# Altium PCB TB_PCB.PcbDoc (part 1 of 2)
Units mm, origin at the board's own origin, x right, y up, seen from the top; angles counter-clockwise.
Board outline 210.95 x 140.19 mm, 2 copper layers (Top Layer, Bottom Layer); 52 components, 105 nets, 390 pads, 1586 vias.
Unrouted connection lines stored in the file: 19.
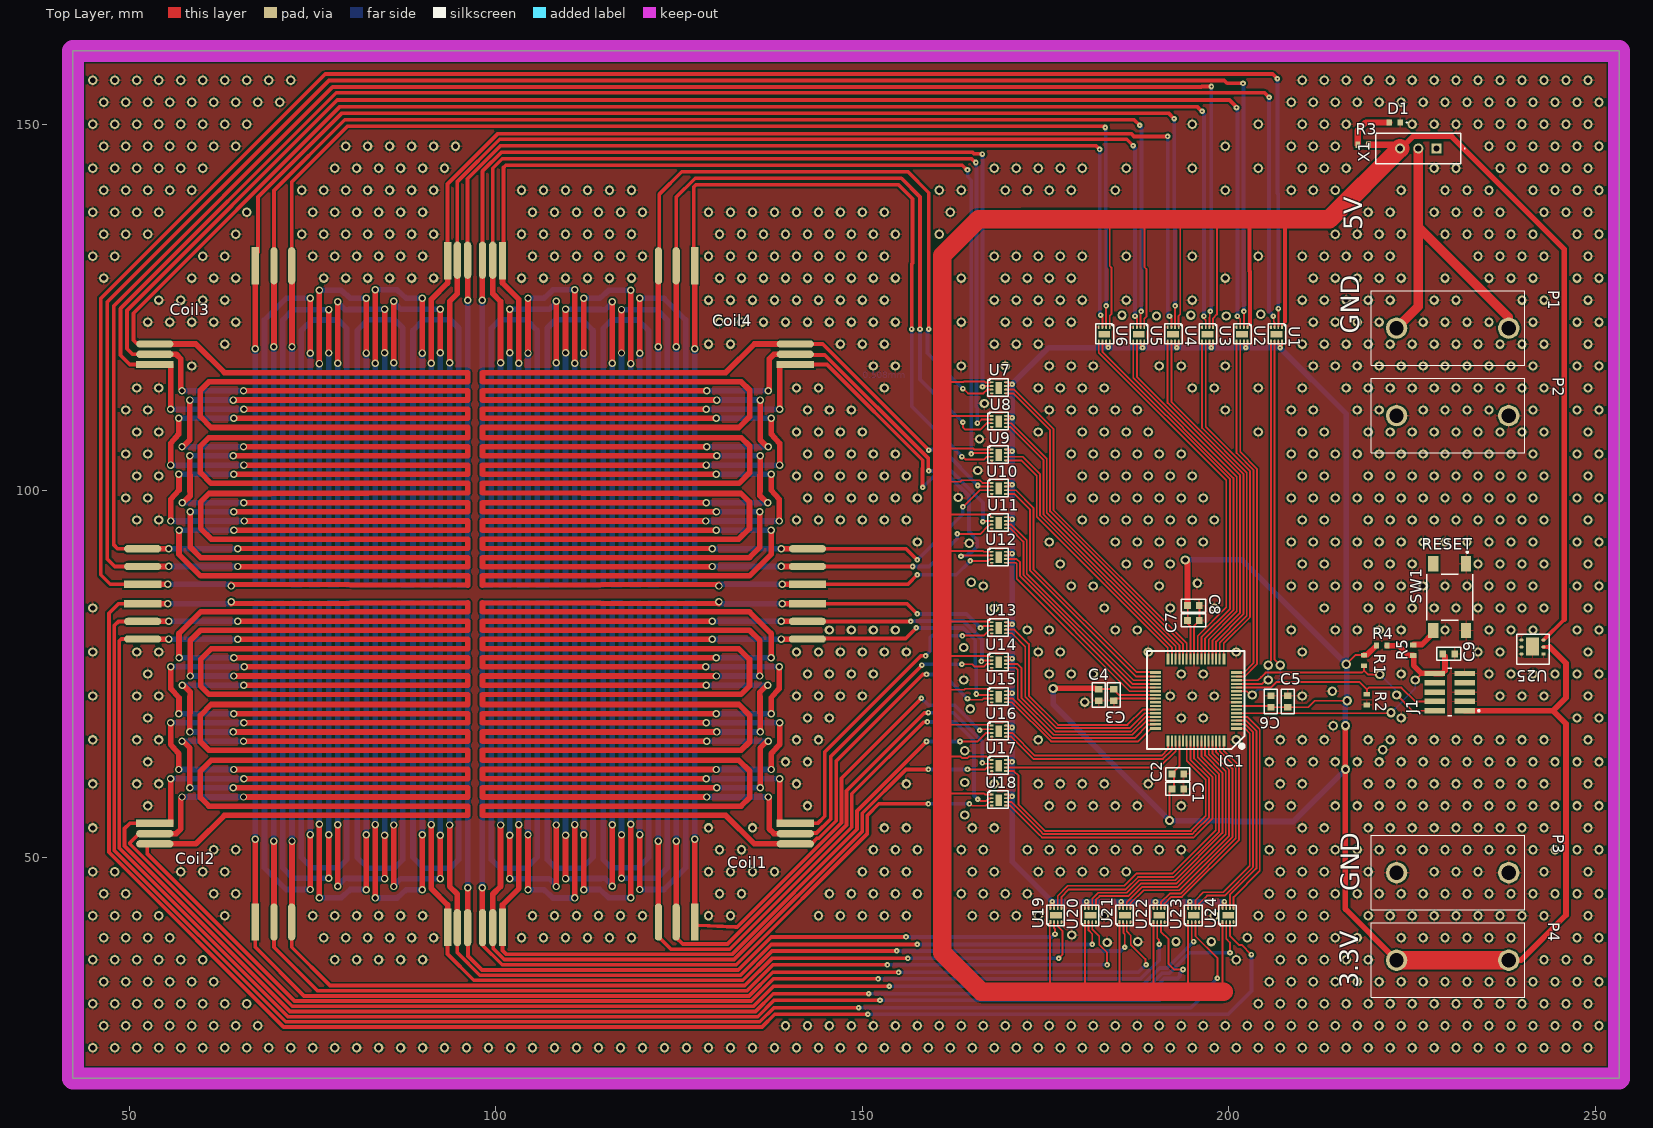
[diagram p0: Top Layer view]
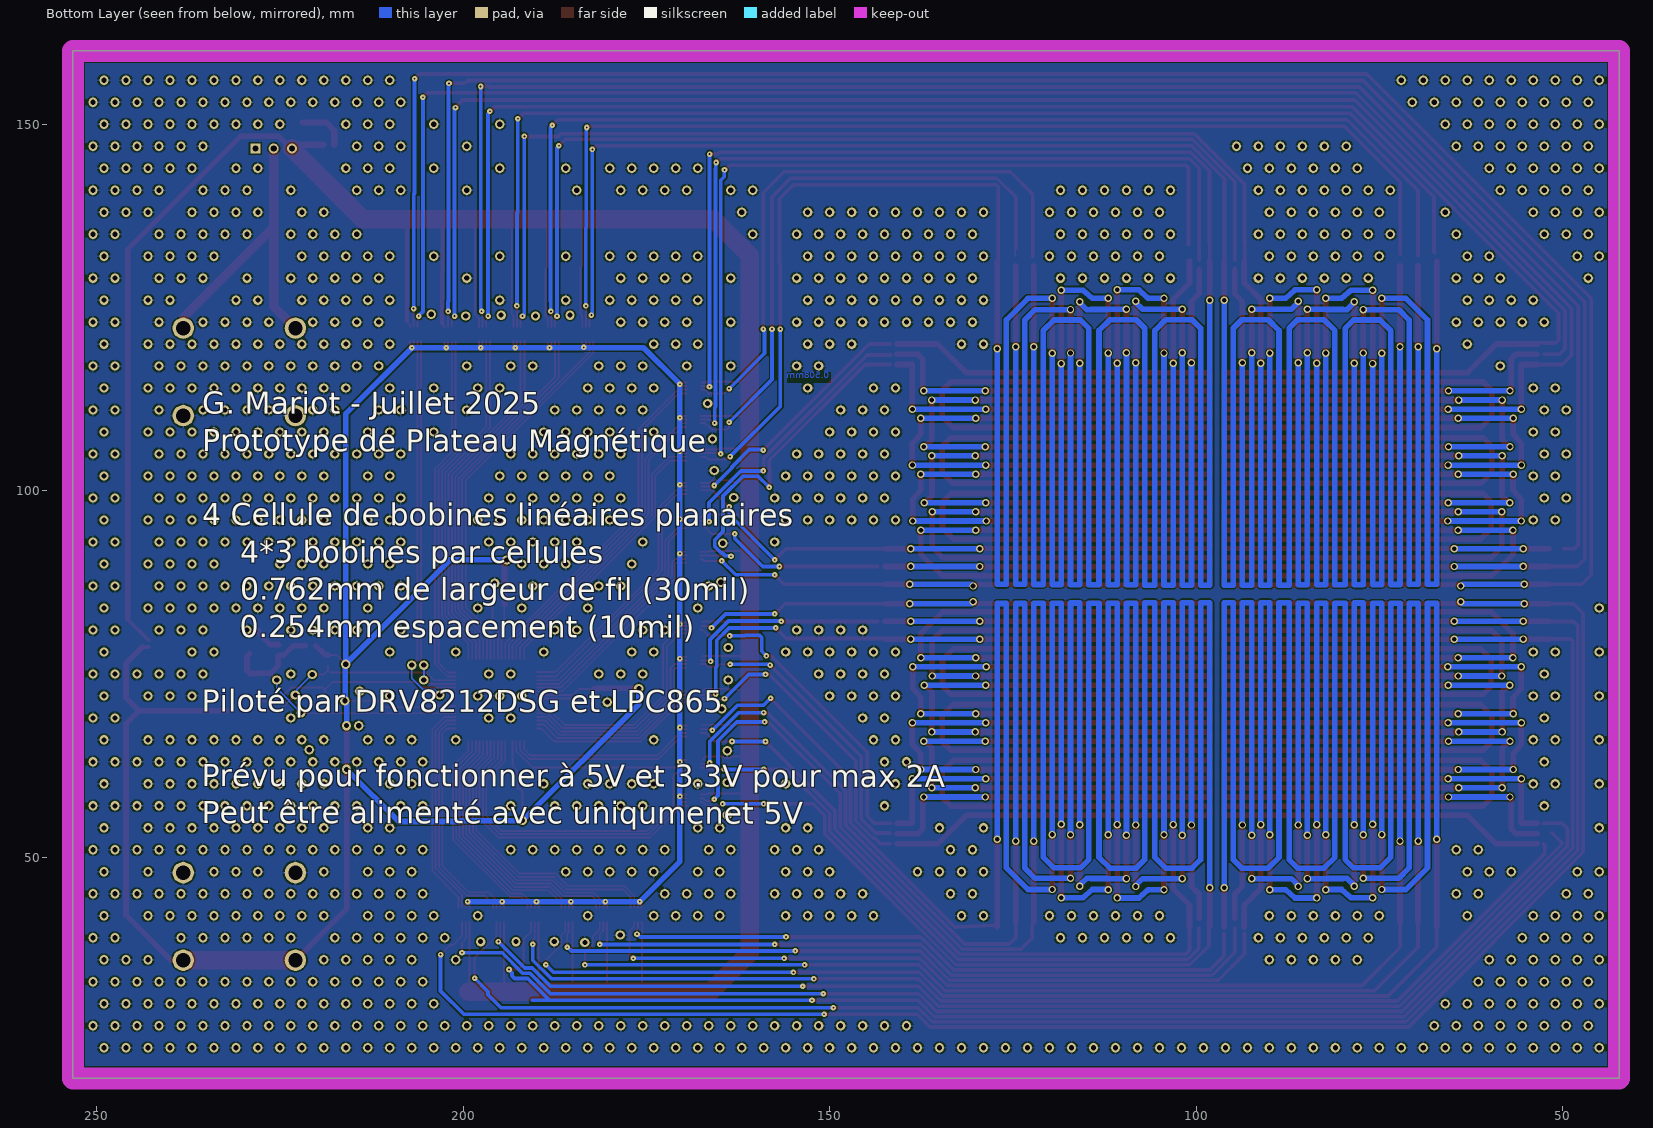
[diagram p1: Bottom Layer view, seen from below]
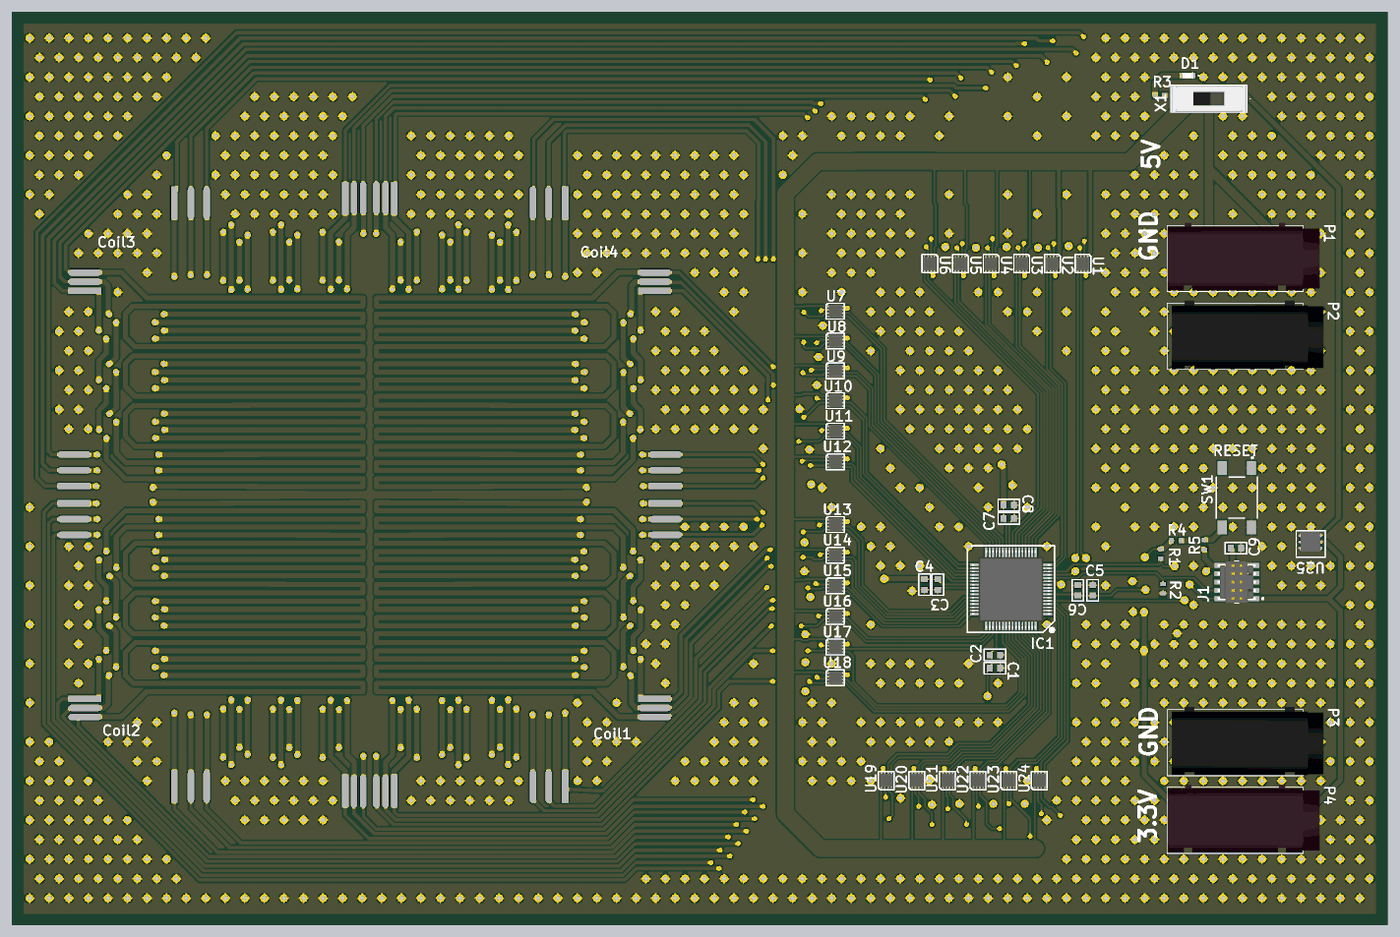
[diagram p3: 3D render of the assembled board from above, using the file's embedded part models]

## Layer stack, top to bottom
Top Solder: solder mask 0.0102, Solder Resist, Dk 3.5
Top Layer: signal copper 0.0356
Dielectric 1: dielectric 0.32, FR-4, Dk 4.8
Bottom Layer: signal copper 0.0356
Bottom Solder: solder mask 0.0102, Solder Resist, Dk 3.5

## Board outline
42.291,19.812 42.291,160 253.238,160 253.238,19.812

## Design rules (kind name [scope] priority, off if disabled: settings)
Clearance Clearance_2 [HasFootprint('Bidirectional_Coil') vs HasFootprint('Bidirectional_Coil')] p1: gap=0.2 ignorepadtopadclearanceinfootprint=TRUE
Clearance Clearance_1 [InNamedPolygon('Top Layer-GND') Or InNamedPolygon('NONET_L02_P001')] p2: gap=0.254 ignorepadtopadclearanceinfootprint=TRUE
Clearance [All] p3: gap=0.2 ignorepadtopadclearanceinfootprint=TRUE
HoleSize [All] p1: absolutevalues=TRUE maxlimit=2.54 minlimit=0.25 maxpercent=80.000 minpercent=20.000
HoleToHoleClearance [All] p1: gap=0.152 allowstackedmicrovias=TRUE
MinimumAnnularRing [All] p1: minimumring=0.15
MinimumSolderMaskSliver [All] p1: minsoldermaskwidth=0.13
PolygonConnect PolygonConnect_1 [All vs IsNamedPolygon('Top Layer-GND') Or IsNamedPolygon('NONET_L02_P001')] p1: connectstyle=Relief reliefconductorwidth=0.254 reliefentries=4 polygonreliefangle="90 Angle" airgapwidth=0.254
PolygonConnect [All] p2: connectstyle=Relief reliefconductorwidth=0.254 reliefentries=4 polygonreliefangle="90 Angle" airgapwidth=0.254
RoutingVias [All] p1: holewidth=0.711 width=1.27 viastyle="Through Hole" minholewidth=0.152 minwidth=0.254 maxholewidth=0.711 maxwidth=1.27
ShortCircuit ShortCircuit_1 [HasFootprint('Bidirectional_Coil') vs HasFootprint('Bidirectional_Coil')] p1: allowed=TRUE
ShortCircuit [All] p2: allowed=FALSE
SilkToSilkClearance [All] p1: silktosilkclearance=0
SilkToSolderMaskClearance [IsPad] p1: minsilkscreentomaskgap=0 clearancetoexposedcopper=TRUE
SolderMaskExpansion [All] p1: expansion=0.102 istentingtop=FALSE
SupplyNets "Schematic Supply Nets_2" [InNet('VCC')] p1: voltage=0.000
SupplyNets "Schematic Supply Nets_1" [InNet('GND')] p2: voltage=0.000
SupplyNets "Schematic Supply Nets" [InNet('VM')] p3: voltage=0.000
UnRoutedNet UnRoutedNet_1 [HasFootprint('Bidirectional_Coil')] p1:
UnRoutedNet [All] p2:
Width [All] p1: maxlimit=2.54 minlimit=0.254 preferedwidth=0.254 minimp=50.000000 maximp=50.000000 favimp=50.000000
23 further rules are at their usual default settings.

## Classes and differential pairs
component class TB_Piste: Coil1 Coil2 Coil3 Coil4
component class TB_Driver: U1 U2 U3 U4 U5 U6 U7 U8 U9 U10 U11 U12 U13 U14 U15 U16 U17 U18 U19 U20 U21 U22 U23 U24
component class TB_Controller: C1 C2 C3 C4 C5 C6 C7 C8 C9 D1 IC1 J1 P1 P2 P3 P4 R1 R2 R3 R4 R5 SW1 U25 X1

## Components (designator, comment, footprint, x,y, rotation, side; value= is the part's Value field where it differs from the comment)
C1 "D_CAP-40" CAP_0603H0.8 193.04,59.309 r0 top value=10nF
C2 "D_CAP-52" CAP_0603H0.8 193.04,61.341 r0 top value=100nF
C3 "D_CAP-40" CAP_0603H0.8 184.277,72.136 r270 top value=10nF
C4 "D_CAP-52" CAP_0603H0.8 182.245,72.136 r270 top value=100nF
C5 "D_CAP-40" CAP_0603H0.8 208.026,71.247 r270 top value=10nF
C6 "D_CAP-52" CAP_0603H0.8 205.74,71.247 r270 top value=100nF
C7 "D_CAP-52" CAP_0603H0.8 195.161,82.296 r0 top value=100nF
C8 "D_CAP-40" CAP_0603H0.8 195.161,84.328 r0 top value=10nF
C9 "1u" CAP_0603H0.8 229.997,77.724 r180 top value=1uF
Coil1 "Coil" Bidirectional_Coil#1 117.348,69.977 r180 top
Coil2 "Coil" Bidirectional_Coil#2 76.962,69.977 r0 top
Coil3 "Coil" Bidirectional_Coil#1 76.962,101.854 r0 top
Coil4 "Coil" Bidirectional_Coil#2 117.348,101.854 r180 top
D1 "KS_EELP41.22-P1R2-58-A8J8-020-" KSEELP4122P1R258A8J8020R18 222.758,150.241 r180 top
IC1 "LPC865M301JBD64" LPC865M301JBD64 201.139,67.695 r180 top
J1 "FTSH-105-01-L-DV-K-A" FTSH-105-01-L-DV-K-A 229.994,72.263 r90 top
P1 "BananaConnector" "Delton Banana Plug 500 Red" 232.156,122.301 r0 top
P2 "BananaConnector" "Delton Banana Plug 100 Black" 232.156,110.363 r0 top
P3 "BananaConnector" "Delton Banana Plug 100 Black" 232.156,48.006 r0 top
P4 "BananaConnector" "Delton Banana Plug 500 Red" 232.156,36.068 r0 top
R1 "R-10KR-63mW-1%-0603" T_RESC0603X30N 218.44,76.835 r90 top value=10KR
R2 "R-10KR-63mW-1%-0603" T_RESC0603X30N 218.821,71.501 r90 top value=10KR
R3 "R-150R-63mW-1%-0603" T_RESC0603X30N 218.313,147.193 r0 top value=150R
R4 "1K" T_RESC0603X30N 220.853,78.867 r180 top
R5 "100" T_RESC0603X30N 225.171,78.232 r270 top value=100R
SW1 "4-1437565-1" FP-4-1437565-1-MFG 230.124,85.471 r270 top
U1 "DRV8212DSG" DRV8212DSGR 207.248,122.301 r270 top
U2 "DRV8212DSG" DRV8212DSGR 202.549,122.301 r270 top
U3 "DRV8212DSG" DRV8212DSGR 197.85,122.301 r270 top
U4 "DRV8212DSG" DRV8212DSGR 193.151,122.301 r270 top
U5 "DRV8212DSG" DRV8212DSGR 188.452,122.301 r270 top
U6 "DRV8212DSG" DRV8212DSGR 183.753,122.301 r270 top
U7 "DRV8212DSG" DRV8212DSGR 167.64,114.784 r0 top
U8 "DRV8212DSG" DRV8212DSGR 167.64,110.212 r0 top
U9 "DRV8212DSG" DRV8212DSGR 167.64,105.64 r0 top
U10 "DRV8212DSG" DRV8212DSGR 167.64,101.06 r0 top
U11 "DRV8212DSG" DRV8212DSGR 167.64,96.369 r0 top
U12 "DRV8212DSG" DRV8212DSGR 167.64,91.67 r0 top
U13 "DRV8212DSG" DRV8212DSGR 167.64,82.042 r0 top
U14 "DRV8212DSG" DRV8212DSGR 167.64,77.343 r0 top
U15 "DRV8212DSG" DRV8212DSGR 167.64,72.636 r0 top
U16 "DRV8212DSG" DRV8212DSGR 167.64,67.945 r0 top
U17 "DRV8212DSG" DRV8212DSGR 167.64,63.246 r0 top
U18 "DRV8212DSG" DRV8212DSGR 167.64,58.547 r0 top
U19 "DRV8212DSG" DRV8212DSGR 175.649,41.148 r90 top
U20 "DRV8212DSG" DRV8212DSGR 180.356,41.148 r90 top
U21 "DRV8212DSG" DRV8212DSGR 185.063,41.148 r90 top
U22 "DRV8212DSG" DRV8212DSGR 189.738,41.148 r90 top
U23 "DRV8212DSG" DRV8212DSGR 194.445,41.148 r90 top
U24 "DRV8212DSG" DRV8212DSGR 199.136,41.148 r90 top
U25 "ST1L05APU33R" ST1L05APU33R 242.927,78.74 r180 top
X1 "SLW-116641-5A-S-D" SLW-116641-5A-S-D 225.806,146.685 r180 top

## Footprints (in the part's own frame and the unit in brackets; to place one, negate y for a bottom-side part, rotate by r counter-clockwise, add the part's x,y. Pads: shape width x height; smd on the part's side, far side on the other; paste and mask are expansions set on the pad)
Bidirectional_Coil#1 [mil]
  rect 200x39.37 smd: A1-1(-990,-575) A1-2(-925,605)
  oval 200x39.37 smd: A2-1(-990,-480) A2-2(-925,660) A3-1(-990,-385) A3-2(-925,715)
  rect 39.37x200 smd: B1-1(-385,1135) B1-2(647.5,1162.5)
  oval 39.37x200 smd paste+0 mask+4: B2-1(-285,1135) B3-1(-190,1135)
  oval 39.37x200 smd: B2-2(700,1165) B3-2(755,1165)
  Top Layer lines w30: 756.58,1163.42 756.58,950 ; 700,1115 700,985.84 658.16,944 658.16,613.72 ; 647.5,1162.5 647.5,1042.5 559.73,954.73 559.73,611.36 ; 608.94,901.36 608.94,667.93 ; 510.52,961.36 510.52,666.36 ; 358.16,938.72 358.16,944 358.16,613.72 ; 308.94,901.36 308.94,667.93 ; 259.73,1005.57 259.73,611.36 ; 210.52,961.36 210.52,666.36 ; 57.64,942.64 57.64,612.36 ; 8.43,900 8.43,666.57 ; -40.79,1004.21 -40.79,610 ; -90,960 -90,665 ; -188.15,1135 -188.15,700 ; -285,1135 -285,701.57 ; -385,1160 -385,690 ; -433.94,-432.36 -678.94,-432.36 -735,-376.3 -735,-186.57 ; -433.94,-530.79 -678.94,-530.79 -679.21,-530.79 -795,-415 -795,-285 ; -445,-235.79 755,-235.79 755,-285 -305,-285 -500,-285 ; -445,-530.79 755,-530.79 755,-579.83 -514.96,-575.02 ; -446.36,364.73 755,364.73 755,315.52 -306.36,315.52 -501.36,315.52 ; -446.36,64.73 755,64.73 755,15.52 -306.36,15.52 -501.36,15.52 ; -447.36,-137.36 755,-137.36 755,-186.57 -305,-186.57 -501.57,-186.57 ; -447.36,-432.36 755,-432.36 755,-481.52 -480,-480.04 ; -448.72,463.16 755,463.16 755,413.94 -306.36,413.94 -502.93,413.94 ; -448.72,163.16 755,163.16 755,113.94 -306.36,113.94 -502.93,113.94 ; -480,-384.96 755,-383.22 755,-333.94 -433.94,-333.94 -621.06,-333.94 -678.94,-276.06 -678.94,-133.94 -633.15,-88.15 -305,-88.15 755,-85.14 755,-33.42 -435.3,-33.42 -622.42,-33.42 -680.3,24.46 -680.3,166.58 -634.51,212.37 -306.36,212.37 755,212.37 755,266.58 -435.3,266.58 -622.42,266.58 -680.3,324.46 -680.3,466.58 -634.51,512.37 -306.36,512.37 755,512.37 755,561.58 -551.58,561.58 -705,715 -855.18,715 -925,715 ; -735,10 -735,-100 -772.36,-137.36 -777.64,-137.36 ; -736.36,413.94 -736.36,224.22 ; -736.36,310.52 -736.36,200.52 -773.72,163.16 -779,163.16 ; -736.36,113.94 -736.36,-75.78 ; -779,463.16 -773.72,463.16 -785,474.43 -785,560 -785,635 -810,660 -925,660 ; -795,10 -795,-70 -839.21,-119.21 -839.21,-235.79 ; -796.36,315.52 -796.36,230.52 ; -796.36,310.52 -796.36,230.52 ; -796.36,15.52 -796.36,-70 ; -840.57,364.73 -840.57,481.31 -840.57,604.43 -840.57,605 -925,605 ; -840.57,64.73 -840.57,181.31 -796.36,230.52 ; -850,-385 -990,-385 ; -850,-480 -990,-480 ; -855,-575 -990,-575
  Bottom Layer lines w30: 756.58,950 756.58,716.58 756.58,-580 707.37,-580 707.37,471.36 707.37,799.51 661.58,845.3 519.46,845.3 461.58,787.42 461.58,600.3 461.58,-580 407.37,-580 407.37,471.36 407.37,799.51 361.58,845.3 219.46,845.3 161.58,787.42 161.58,600.3 161.58,-577.64 106.85,-577.64 106.85,470 106.85,798.15 61.06,843.94 -81.06,843.94 -138.94,786.06 -138.94,598.94 -138.94,-576.69 -188.15,-576.69 -188.15,700 ; 658.16,613.72 658.16,-580 608.94,-580 608.94,471.36 608.94,667.93 ; 608.94,901.36 419.22,901.36 ; 559.73,611.36 559.73,-580 510.52,-580 510.52,471.36 510.52,666.36 ; 510.52,961.36 425.52,961.36 ; 505.52,961.36 425.52,961.36 ; 505.52,901.36 395.52,901.36 358.16,938.72 ; 358.16,613.72 358.16,-578.12 308.94,-578.12 308.94,471.36 308.94,667.93 ; 308.94,901.36 119.22,901.36 ; 259.73,1005.57 376.31,1005.57 425.52,961.36 ; 259.73,611.36 259.73,-577.64 210.52,-577.64 210.52,471.36 210.52,666.36 ; 210.52,961.36 125,961.36 ; 205,960 125,960 75.79,1004.21 -40.79,1004.21 ; 205,900 95,900 57.64,937.36 57.64,942.64 ; 57.64,612.36 57.64,-578.6 8.43,-578.6 8.43,470 8.43,666.57 ; 8.43,900 -181.3,900 -237.36,843.94 -237.36,598.94 ; -40.79,610 -40.79,-576.69 -90,-576.69 -90,470 -90,665 ; -90,960 -220,960 -335.79,844.21 -335.79,843.94 -335.79,598.94 ; -237.36,612.36 -237.36,-576.22 -286.57,-576.22 -286.57,700 ; -335.79,610 -335.79,-576.22 -385,-576.22 -385,690 ; -445,-235.79 -839.21,-235.79 ; -446.36,364.73 -840.57,364.73 ; -446.36,64.73 -840.57,64.73 ; -447.36,-137.36 -777.64,-137.36 ; -448.72,463.16 -779,463.16 ; -448.72,163.16 -779,163.16 ; -480,-480.04 -849.96,-480.04 ; -480.04,-385 -850,-385 ; -500,-285 -795,-285 ; -501.36,315.52 -796.36,315.52 ; -501.36,15.52 -796.36,15.52 ; -501.57,-186.57 -735,-186.57 ; -502.93,413.94 -736.36,413.94 ; -502.93,113.94 -736.36,113.94 ; -525,-575 -855,-575
Bidirectional_Coil#2 [mil]
  rect 200x39.37 smd: A1-1(-990,575) A1-2(-925,-605)
  oval 200x39.37 smd: A2-1(-990,480) A2-2(-925,-660) A3-1(-990,385) A3-2(-925,-715)
  rect 39.37x200 smd: B1-1(-385,-1135) B1-2(647.5,-1162.5)
  oval 39.37x200 smd paste+0 mask+4: B2-1(-285,-1135) B3-1(-190,-1135)
  oval 39.37x200 smd: B2-2(700,-1165) B3-2(755,-1165)
  Top Layer lines w30: -990,385 -850,385 ; -990,480 -850,480 ; -990,575 -855,575 ; -925,-715 -855.18,-715 -705,-715 -551.58,-561.58 755,-561.58 755,-512.37 -306.36,-512.37 -634.51,-512.37 -680.3,-466.58 -680.3,-324.46 -622.42,-266.58 -435.3,-266.58 755,-266.58 755,-212.37 -306.36,-212.37 -634.51,-212.37 -680.3,-166.58 -680.3,-24.46 -622.42,33.42 -435.3,33.42 755,33.42 755,85.14 -305,88.15 -633.15,88.15 -678.94,133.94 -678.94,276.06 -621.06,333.94 -433.94,333.94 755,333.94 755,383.22 -480,384.96 ; -925,-660 -810,-660 -785,-635 -785,-560 -785,-474.43 -773.72,-463.16 -779,-463.16 ; -925,-605 -840.57,-605 -840.57,-604.43 -840.57,-481.31 -840.57,-364.73 ; -840.57,-64.73 -840.57,-181.31 -796.36,-230.52 ; -839.21,235.79 -839.21,119.21 -795,70 -795,-10 ; -796.36,-315.52 -796.36,-230.52 ; -796.36,-310.52 -796.36,-230.52 ; -796.36,-15.52 -796.36,70 ; -795,285 -795,415 -679.21,530.79 -678.94,530.79 -433.94,530.79 ; -779,-163.16 -773.72,-163.16 -736.36,-200.52 -736.36,-310.52 ; -777.64,137.36 -772.36,137.36 -735,100 -735,-10 ; -736.36,-413.94 -736.36,-224.22 ; -736.36,-113.94 -736.36,75.78 ; -735,186.57 -735,376.3 -678.94,432.36 -433.94,432.36 ; -514.96,575.02 755,579.83 755,530.79 -445,530.79 ; -502.93,-413.94 -306.36,-413.94 755,-413.94 755,-463.16 -448.72,-463.16 ; -502.93,-113.94 -306.36,-113.94 755,-113.94 755,-163.16 -448.72,-163.16 ; -501.57,186.57 -305,186.57 755,186.57 755,137.36 -447.36,137.36 ; -501.36,-315.52 -306.36,-315.52 755,-315.52 755,-364.73 -446.36,-364.73 ; -501.36,-15.52 -306.36,-15.52 755,-15.52 755,-64.73 -446.36,-64.73 ; -500,285 -305,285 755,285 755,235.79 -445,235.79 ; -480,480.04 755,481.52 755,432.36 -447.36,432.36 ; -385,-1160 -385,-690 ; -285,-1135 -285,-701.57 ; -188.15,-1135 -188.15,-700 ; -90,-960 -90,-665 ; -40.79,-1004.21 -40.79,-610 ; 8.43,-900 8.43,-666.57 ; 57.64,-942.64 57.64,-612.36 ; 210.52,-961.36 210.52,-666.36 ; 259.73,-1005.57 259.73,-611.36 ; 308.94,-901.36 308.94,-667.93 ; 358.16,-938.72 358.16,-944 358.16,-613.72 ; 510.52,-961.36 510.52,-666.36 ; 559.73,-611.36 559.73,-954.73 647.5,-1042.5 647.5,-1162.5 ; 608.94,-901.36 608.94,-667.93 ; 658.16,-613.72 658.16,-944 700,-985.84 700,-1115 ; 756.58,-1163.42 756.58,-950
  Bottom Layer lines w30: -855,575 -525,575 ; -850,385 -480.04,385 ; -849.96,480.04 -480,480.04 ; -840.57,-364.73 -446.36,-364.73 ; -840.57,-64.73 -446.36,-64.73 ; -839.21,235.79 -445,235.79 ; -796.36,-315.52 -501.36,-315.52 ; -796.36,-15.52 -501.36,-15.52 ; -795,285 -500,285 ; -779,-463.16 -448.72,-463.16 ; -779,-163.16 -448.72,-163.16 ; -777.64,137.36 -447.36,137.36 ; -736.36,-413.94 -502.93,-413.94 ; -736.36,-113.94 -502.93,-113.94 ; -735,186.57 -501.57,186.57 ; -385,-690 -385,576.22 -335.79,576.22 -335.79,-610 ; -335.79,-598.94 -335.79,-843.94 -335.79,-844.21 -220,-960 -90,-960 ; -286.57,-700 -286.57,576.22 -237.36,576.22 -237.36,-612.36 ; -237.36,-598.94 -237.36,-843.94 -181.3,-900 8.43,-900 ; -188.15,-700 -188.15,576.69 -138.94,576.69 -138.94,-598.94 -138.94,-786.06 -81.06,-843.94 61.06,-843.94 106.85,-798.15 106.85,-470 106.85,577.64 161.58,577.64 161.58,-600.3 161.58,-787.42 219.46,-845.3 361.58,-845.3 407.37,-799.51 407.37,-471.36 407.37,580 461.58,580 461.58,-600.3 461.58,-787.42 519.46,-845.3 661.58,-845.3 707.37,-799.51 707.37,-471.36 707.37,580 756.58,580 756.58,-716.58 756.58,-950 ; -90,-665 -90,-470 -90,576.69 -40.79,576.69 -40.79,-610 ; -40.79,-1004.21 75.79,-1004.21 125,-960 205,-960 ; 8.43,-666.57 8.43,-470 8.43,578.6 57.64,578.6 57.64,-612.36 ; 57.64,-942.64 57.64,-937.36 95,-900 205,-900 ; 119.22,-901.36 308.94,-901.36 ; 125,-961.36 210.52,-961.36 ; 210.52,-666.36 210.52,-471.36 210.52,577.64 259.73,577.64 259.73,-611.36 ; 259.73,-1005.57 376.31,-1005.57 425.52,-961.36 ; 308.94,-667.93 308.94,-471.36 308.94,578.12 358.16,578.12 358.16,-613.72 ; 358.16,-938.72 395.52,-901.36 505.52,-901.36 ; 419.22,-901.36 608.94,-901.36 ; 505.52,-961.36 425.52,-961.36 ; 510.52,-961.36 425.52,-961.36 ; 510.52,-666.36 510.52,-471.36 510.52,580 559.73,580 559.73,-611.36 ; 608.94,-667.93 608.94,-471.36 608.94,580 658.16,580 658.16,-613.72